# Altium PCB BLDC_DRIVER_1.1_one_side.PcbDoc (part 2 of 3)
Units mil, origin at the board's own origin, x right, y up, seen from the top; angles counter-clockwise.
Board outline 6000 x 4990 mil, 2 copper layers (Top Layer, Bottom Layer), stack 15.5 mil thick; 192 components, 186 nets, 852 pads, 446 vias.
Unrouted connection lines stored in the file: 8.
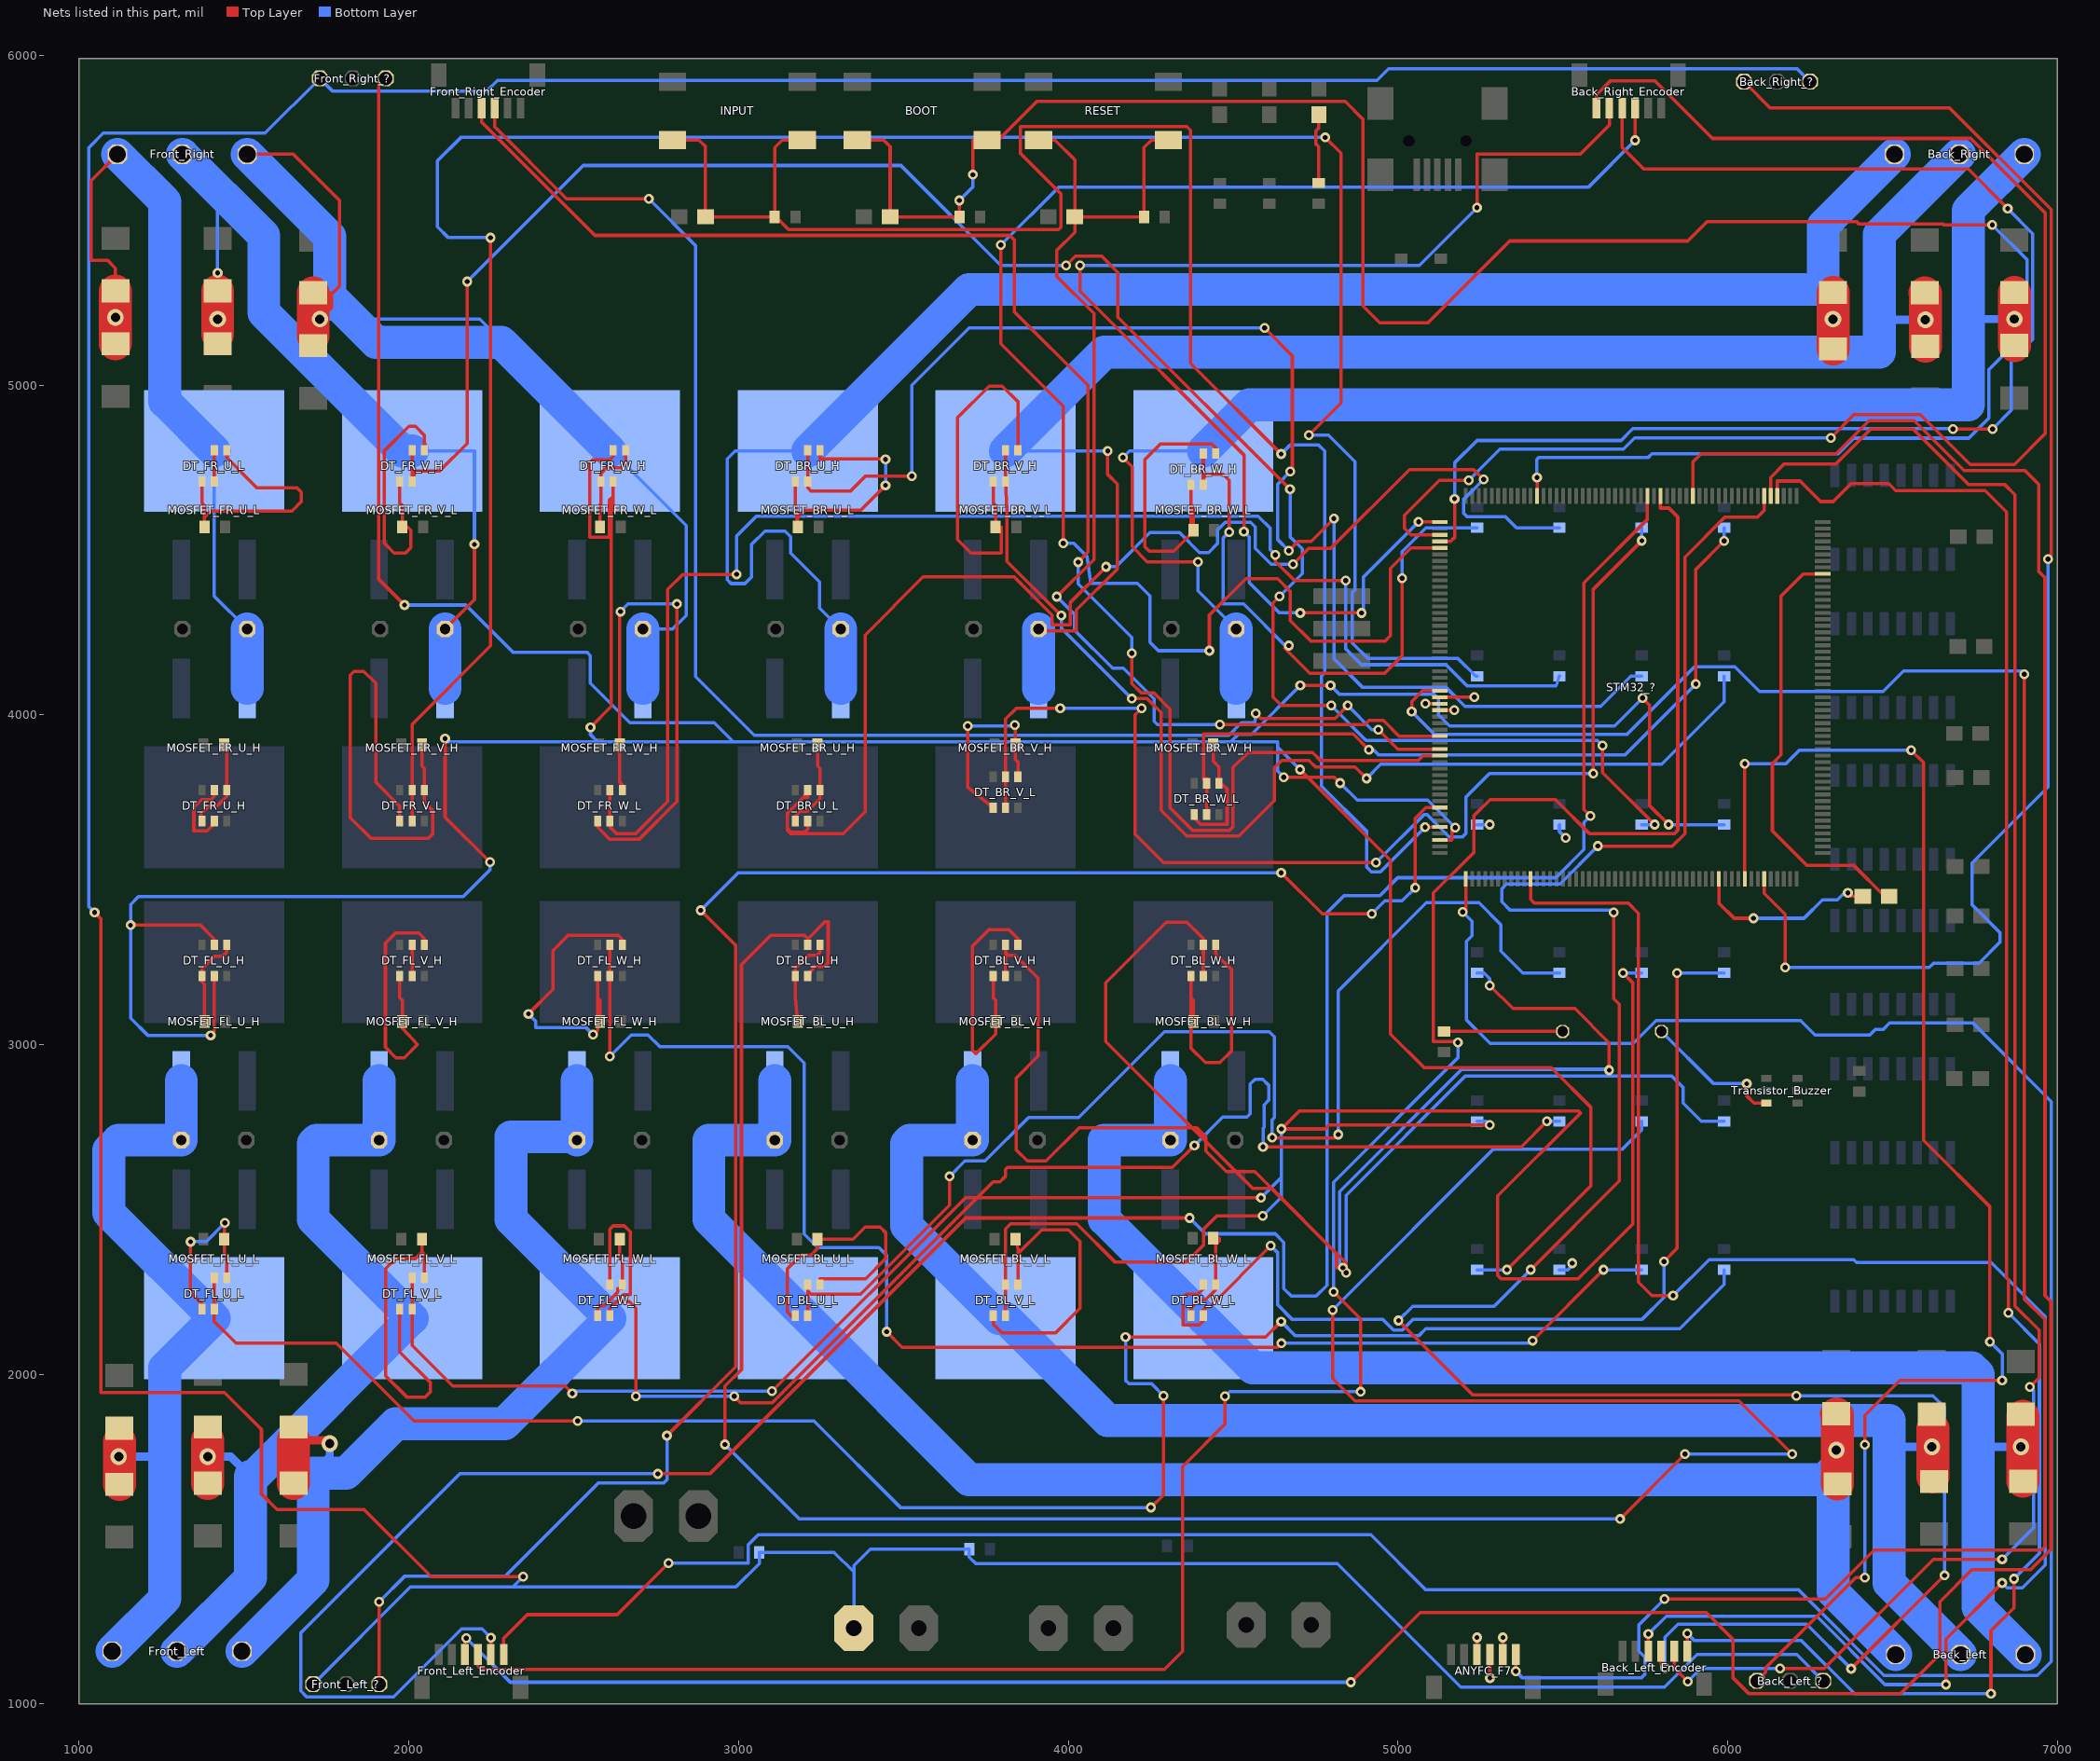
[diagram p2: the nets of this part, all layers, seen from the top]

## Via types
v1: diameter 30, hole 15, Top Layer to Bottom Layer, 425 vias
v2: diameter 50, hole 28, Top Layer to Bottom Layer, 14 vias
v3: diameter 160, hole 160, Top Layer to Bottom Layer, 4 vias
v4: diameter 59.06, hole 47.24, Top Layer to Bottom Layer, 2 vias
v5: diameter 100, hole 28, Top Layer to Bottom Layer, 1 vias

## Nets (pads, with @x,y where several pads share a name; then routed paths per layer and width w, separated by ;. In a path a pad name is that pad's centre, name@x,y a point inside that pad or via, vN(x,y) a via of type N, cw(c..) or ccw(c..) an arc to the next point about the centre after c; other vN are vias at no path point) (continued)
GND_SERVO: Back_Left_?.1 Back_Right_?.1 Front_Left_?.1 Front_Right_?.1 R_GND_MOT_SERV.2 R_GND_SERV_5V.1 Servo_Supply.1 | length 16091.1
  Top Layer w10: v1(1047,3400.6) 1066,3381.6 1066,1945 1441,1945 1553,1833 1553,1637 1600,1590 1864,1590 2068,1386 v1(2347,1386)
  Bottom Layer w10: v1(1047,3400.6) 1029.78,3417.82 1029.78,5720 1073.56,5763.78 1563.78,5763.78 Front_Right_?.1@1730,5930 1768,5892 2237,5892 2269,5924 4937,5924 4972,5959 6211,5959 Back_Right_?.1@6250,5920 ; Front_Left_?.1@1710,1060 2005,1355 2316,1355 ; v1(2347,1386) 2316,1355 ; Servo_Supply.1@3350,1230 3350,1400 ; Back_Left_?.1@6290,1070 6210,1150 5908,1150 5808.9,1050.9 5191,1050.9 4815.9,1426 3720,1426 3700,1446 R_GND_SERV_5V.1@3700,1470 3400,1470 3350,1420 3350,1400 ; 2316,1355 2992,1355 3063,1426 R_GND_MOT_SERV.2@3063,1460 3290,1460 3350,1400
NetANYFC_F7_3: ANYFC_F7.3 STM32_?.30 | length 95.1
  Top Layer w10: STM32_?.30@5127.17,4014.02 v1(5170.79,4014.02) ; ANYFC_F7.3@5239.92,1150.39 v1(5239.92,1201.89)
NetANYFC_F7_4: ANYFC_F7.4 STM32_?.29 | length 115.1
  Top Layer w10: v1(5083.54,4033.7) STM32_?.29@5127.17,4033.7 ; v1(5279.29,1078.9) ANYFC_F7.4@5279.29,1150.39
NetANYFC_F7_5: ANYFC_F7.5 STM32_?.28 | length 156.7
  Top Layer w10: STM32_?.28@5127.17,4053.39 v1(5232.37,4053.39) ; ANYFC_F7.5@5318.66,1150.39 v1(5318.66,1201.89)
NetANYFC_F7_6: ANYFC_F7.6 STM32_?.27 | length 6775.4
  Top Layer w10: v1(5042,4010) 5042,4040 5075.07,4073.07 STM32_?.27@5127.17,4073.07 ; v1(5358.03,1098.97) ANYFC_F7.6@5358.03,1150.39 ; v1(5809,1318) 6296,1318 6445,1467 6952,1467 6963.33,1478.33 6963.33,2164.67 6900,2228 v1(6900,4123)
  Bottom Layer w10: v1(5042,4010) 5111,3941 5695,3941 5900,4146 6022,4146 6097.39,4070.61 6472.03,4070.61 6534.41,4133 6890,4133 v1(6900,4123) ; v1(5358.03,1098.97) 5377,1080 5739,1080 5749,1090 5749,1142 5731,1160 5731,1240 v1(5809,1318)
NetB_1: B.1 R180_LED_B.2 | length 213.6
  Top Layer w10: R180_LED_B.2@4760,5613 4760,5723 4752,5731 4752,5771 4760,5779 B.1@4760,5820
NetBack_Left_1: Back_Left.1 C_BL_U.1 MOSFET_BL_U_H.S MOSFET_BL_U_L.D Schottky_diode_BL_U_H.1 Schottky_diode_BL_U_L.2 | length 5299
  Top Layer w100: Schottky_diode_BL_U_L.2@6330,1880 6333.62,1876.38 Schottky_diode_BL_U_H.1@6333.62,1667.52
  Bottom Layer w25: 6260,1680 6260,1700 v2(6330,1770)
  Bottom Layer w100: MOSFET_BL_U_H.S@3110,2890 C_BL_U.1@3110,2710 2910,2710 2910,2469.76 MOSFET_BL_U_L.D@3210,2169.76 3699.76,1680 6260,1680 6320,1680 6320,1340 Back_Left.1@6510,1150
NetBack_Left_2: Back_Left.2 C_BL_V.1 MOSFET_BL_V_H.S MOSFET_BL_V_L.D Schottky_diode_BL_V_H.1 Schottky_diode_BL_V_L.2 | length 5015.3
  Top Layer w10: Schottky_diode_BL_V_L.2@6619.81,1878.86 6612,1878.86 6612,1835.19 6622.91,1835.19 ; Schottky_diode_BL_V_H.1@6622.91,1688.42 6627.09,1688.42 Schottky_diode_BL_V_H.1@6627.09,1674.81
  Top Layer w100: Schottky_diode_BL_V_H.1@6622.91,1688.42 6622.91,1835.19
  Bottom Layer w25: 6490,1780 v2(6620,1780)
  Bottom Layer w100: MOSFET_BL_V_H.S@3710,2890 C_BL_V.1@3710,2710 3520,2710 3510,2700 3510,2450 3790.24,2169.76 MOSFET_BL_V_L.D@3810,2169.76 4119.76,1860 6490,1860 6490,1780 6490,1366.85 Back_Left.2@6706.85,1150
NetBack_Left_3: Back_Left.3 C_BL_W.1 MOSFET_BL_W_H.S MOSFET_BL_W_L.D Schottky_diode_BL_W_H.1 Schottky_diode_BL_W_L.2 | length 4713.9
  Top Layer w10: Schottky_diode_BL_W_L.2@6889.81,1878.86 6896.11,1878.86 Schottky_diode_BL_W_L.2@6896.11,1872.56
  Top Layer w100: Schottky_diode_BL_W_H.1@6896.11,1675.59 Schottky_diode_BL_W_L.2@6896.11,1872.56
  Bottom Layer w25: 6760,1780 v2(6890,1780)
  Bottom Layer w100: MOSFET_BL_W_H.S@4310,2890 C_BL_W.1@4310,2710 4110,2710 4110,2469.76 MOSFET_BL_W_L.D@4410,2169.76 4559.76,2020 6740,2020 6760,2000 6760,1780 6760,1293.7 Back_Left.3@6903.7,1150
NetBack_Left_?_3: Back_Left_?.3 STM32_?.96 | length 4314.5
  Top Layer w10: STM32_?.96@6052.36,3502.2 v1(6052.36,3852) ; Back_Left_?.3@6090,1070 6116,1096 6116,1110 6389,1383 v1(6417,1383) ; v1(6417,1786) 6417,1875 6523,1981 v1(6833,1981) ; v1(6557,3893) 6595,3855 6595,2709 6796,2508 v1(6796,2099)
  Bottom Layer w10: v1(6052.36,3852) 6177,3852 6218,3893 v1(6557,3893) ; v1(6417,1383) v1(6417,1786) ; v1(6796,2099) 6833,2062 v1(6833,1981)
NetBack_Left_Encoder_3: Back_Left_Encoder.3 STM32_?.63 | length 5252.9
  Top Layer w10: STM32_?.63@5402.76,3502.2 5402.76,3440 5413.76,3429 5699,3429 5730,3398 5730,2280 5771,2239 v1(5835,2239) ; Back_Left_Encoder.3@5759.92,1160.39 5759.92,1211.92 v1(5760,1212) ; v1(6663,1059) 6663,1197 v1(6833,1367)
  Bottom Layer w10: v1(5760,1212) 5814,1266 6270.54,1266 6477.54,1059 v1(6663,1059) ; v1(5835,2239) 5944,2348 6382.83,2348 6391.83,2339 6799.83,2339 6964,2174.83 6964,1422 6894,1352 6848,1352 v1(6833,1367)
NetBack_Left_Encoder_4: Back_Left_Encoder.4 STM32_?.162 | length 7325.4
  Top Layer w10: v1(5002,2163) 5227,1938 6206,1938 v1(6209,1935) ; v1(5403,2317) 5672,2586 5672,3122 5655,3139 v1(5655,3401) ; v1(5607,3602) 5833,3602 5871,3640 5871,4478 5993,4600 6091.42,4600 6111.42,4620 STM32_?.162@6111.42,4663.62 ; Back_Left_Encoder.4@5799.29,1160.39 5799.29,1120.71 v1(5810,1110) ; v1(6375,1107) v1(6658,1390)
  Bottom Layer w10: v1(5002,2163) 5045,2206 5292,2206 v1(5403,2317) ; v1(5607,3602) 5492,3487 5330,3487 5315,3472 5315,3433 5340,3408 5648,3408 v1(5655,3401) ; v1(5810,1110) 5810,1202 5850,1242 6240,1242 v1(6375,1107) ; v1(6209,1935) 6623,1935 6658,1900 v1(6658,1390)
NetBack_Left_Encoder_5: Back_Left_Encoder.5 STM32_?.161 | length 5471.9
  Top Layer w10: Back_Left_Encoder.5@5838.66,1160.39 5838.66,1108.34 v1(5879,1068) ; STM32_?.161@6131.1,4663.62 6131.1,4720 6171.1,4760 6328,4760 6435.18,4867.18 6561.81,4867.18 6729.99,4699 6840,4699 6872,4667 6872,2207 6945.33,2133.67 6945.33,1990 v1(6917,1961.67) ; v1(6159,1108) 6293,1108 6624,1439 v1(6833,1439)
  Bottom Layer w10: v1(5879,1068) 5919,1108 v1(6159,1108) ; v1(6833,1439) 6928,1534 6928,1950.67 v1(6917,1961.67)
NetBack_Left_Encoder_6: Back_Left_Encoder.6 STM32_?.160 | length 5561.4
  Top Layer w10: Back_Left_Encoder.6@5878.03,1160.39 v1(5878,1214) ; STM32_?.160@6150.79,4663.62 6150.79,4709 6220,4709 6282.19,4646.81 6320.81,4646.81 6375,4701 6489,4701 6510,4680 6781.42,4680 6846,4615.42 6846,2293.8 6852,2287.8 v1(6852,2186) ; v1(6799,1031) 6799,1221.96 6869,1291.96 v1(6869,1380)
  Bottom Layer w10: v1(5878,1214) 5900,1192 6224.44,1192 6385.44,1031 v1(6799,1031) ; v1(6852,2186) 6946,2092 6946,1457 v1(6869,1380)
NetBack_Right_1: Back_Right.1 C_BR_W.1 MOSFET_BR_W_H.S MOSFET_BR_W_L.D Schottky_diode_BR_W_H.1 Schottky_diode_BR_W_L.2 | length 4694.1
  Top Layer w10: v1(4166,4780) 4194,4752 4194,4510 4240,4464 v1(4394,4464)
  Top Layer w100: Schottky_diode_BR_W_L.2@6870,5120 v2(6870,5200.28) Schottky_diode_BR_W_H.1@6870,5280.55
  Bottom Layer w10: v1(4166,4780) 4186.24,4800.24 MOSFET_BR_W_L.D@4410,4800.24 ; v1(4394,4464) 4394,4376 C_BR_W.1@4510,4260
  Bottom Layer w25: 6730,5200 6730.28,5200.28 v2(6870,5200.28)
  Bottom Layer w100: MOSFET_BR_W_L.D@4410,4800.24 4549.76,4940 6730,4940 6730,5200 6730,5530 Back_Right.1@6900,5700 ; MOSFET_BR_W_H.S@4510,4080 C_BR_W.1@4510,4260
NetBack_Right_2: Back_Right.2 C_BR_V.1 MOSFET_BR_V_H.S MOSFET_BR_V_L.D Schottky_diode_BR_V_H.1 Schottky_diode_BR_V_L.2 | length 5596.6
  Top Layer w10: C_BR_V.1@3910,4260 3922,4260 3922,4255 4025,4255 4025,4317.78 4149.18,4441.96 4149.18,4699.68 4120,4728.86 v1(4120,4800.24)
  Top Layer w100: Schottky_diode_BR_V_H.1@6598.19,5280.04 6600,5278.23 v2(6600,5197.95) Schottky_diode_BR_V_L.2@6600,5117.68
  Bottom Layer w10: MOSFET_BR_V_L.D@3810,4800.24 v1(4120,4800.24) ; 6462.05,5197.95 6462.05,5458.9 Back_Right.2@6703.15,5700
  Bottom Layer w25: 6462.05,5197.95 v2(6600,5197.95)
  Bottom Layer w100: MOSFET_BR_V_L.D@3810,4800.24 4109.76,5100 6460,5100 6460,5456.85 Back_Right.2@6703.15,5700 ; MOSFET_BR_V_H.S@3910,4080 C_BR_V.1@3910,4260
NetBack_Right_3: Back_Right.3 C_BR_U.1 MOSFET_BR_U_H.S MOSFET_BR_U_L.D Schottky_diode_BR_U_H.1 Schottky_diode_BR_U_L.2 | length 5526.4
  Top Layer w100: Schottky_diode_BR_U_L.2@6320,5110 v2(6320,5200) Schottky_diode_BR_U_H.1@6320,5280.55
  Bottom Layer w10: MOSFET_BR_U_L.D@3210,4800.24 2990,4800.24 2966,4776.24 2966,4410 2978,4398 3020,4398 3040,4418 3040,4517 3080,4557 3141,4557 3158,4540 3158,4491 3246,4403 3246,4324 C_BR_U.1@3310,4260
  Bottom Layer w25: 6290,5290 6290,5230 v2(6320,5200)
  Bottom Layer w100: MOSFET_BR_U_L.D@3210,4800.24 3699.76,5290 6290,5290 6290,5483.7 Back_Right.3@6506.3,5700 ; MOSFET_BR_U_H.S@3310,4080 C_BR_U.1@3310,4260
NetBack_Right_?_3: Back_Right_?.3 STM32_?.99 | length 4425.9
  Top Layer w10: Back_Right_?.3@6050,5920 6130,5840 6674,5840 6982,5532 6982,4482 v1(6972,4472) ; STM32_?.99@6111.42,3502.2 6111.42,3458.58 6175,3395 v1(6175,3234)
  Bottom Layer w10: v1(6175,3234) 6612,3234 6625,3247 6763,3247 6826,3310 6826,3340 6742,3424 6742,3551 6972,3781 v1(6972,4472)
NetBack_Right_Encoder_3: Back_Right_Encoder.3 STM32_?.5 | length 5052.7
  Top Layer w10: v1(3796,5425) 3796,5124.94 3985.11,4935.83 v1(3985.11,4520.45) ; v1(4428.38,4194.38) 4428.38,4302.09 4539.29,4413 4634.96,4413 4673.94,4374.02 4673.94,4285.7 4735.64,4224 4962,4224 4978,4240 4978,4444.14 5040,4506.14 STM32_?.5@5127.17,4506.14 ; v1(5720.08,5742.31) Back_Right_Encoder.3@5720.08,5839.61
  Bottom Layer w10: v1(3796,5425) 3970.75,5599.75 5577.51,5599.75 v1(5720.08,5742.31) ; v1(3985.11,4520.45) 4016.89,4520.45 4057.35,4480 4068.35,4399 4210.06,4399 4248.06,4361 4248.06,4220 4273.68,4194.38 v1(4428.38,4194.38)
NetBack_Right_Encoder_4: Back_Right_Encoder.4 STM32_?.4 | length 4067
  Top Layer w10: STM32_?.4@5127.17,4525.83 5160,4525.83 5172,4537.83 v1(5172,4655) ; Back_Right_Encoder.4@5680.71,5839.61 5680.71,5720 5745.71,5655 6730,5655 v1(6850,5535) ; v1(6684,4867) v1(6804,4867)
  Bottom Layer w10: v1(5172,4655) 5172,4764 5240,4832 5677,4832 5713,4868 6683,4868 v1(6684,4867) ; v1(6804,4867) 6859.95,4922.95 6859.95,5071.95 6926,5138 6926,5459 v1(6850,5535)
NetBack_Right_Encoder_5: Back_Right_Encoder.5 STM32_?.1 | length 3893
  Top Layer w10: v1(4036,5363) 4036,5285 4533,4788 v1(4533,4556) ; v1(4704,4309) v1(4890,4309) ; v1(5062.88,4584.88) STM32_?.1@5127.17,4584.88 ; v1(5240,5538) 5240,5700 5553.34,5700 5641.34,5788 Back_Right_Encoder.5@5641.34,5839.61
  Bottom Layer w10: v1(4036,5363) 5065,5363 v1(5240,5538) ; v1(4533,4556) 4549.58,4539.42 4549.58,4400.92 4641.5,4309 v1(4704,4309) ; v1(4890,4309) 4895,4314 4895,4417 v1(5062.88,4584.88)
NetBack_Right_Encoder_6: Back_Right_Encoder.6 STM32_?.3 | length 4581.7
  Top Layer w10: STM32_?.3@5127.17,4545.51 5040,4545.51 5020,4565.51 5020,4605.51 5125.49,4711 v1(5215,4711) ; Back_Right_Encoder.6@5601.97,5839.61 5601.97,5880 5643.97,5922 5780,5922 5954,5748 6737.97,5748 6964,5521.97 6964,4853 6870,4759 6736,4759 6584.81,4910.19 6383.19,4910.19 v1(6313,4840)
  Bottom Layer w10: v1(5215,4711) 5310,4806 5684,4806 5718,4840 v1(6313,4840)
NetBOOT_1: BOOT.1 BOOT.2 C100n_BOOT.1 R10k_BOOT.1 STM32_?.197 | length 6874
  Top Layer w10: BOOT.2@3360,5742.83 3440,5742.83 3460,5722.83 C100n_BOOT.1@3460,5510 R10k_BOOT.1@3670,5510 v1(3670,5560) ; v1(3711,5638) 3711,5742.83 BOOT.1@3753.7,5742.83 3788,5742.83 3905.17,5860 4840,5860 4894,5806 4894,5240 4945,5189 5091.39,5189 5339.39,5437 5879,5437 5938.31,5496.31 6390.69,5496.31 6399,5488 6654,5488 6656,5486 v1(6803,5486) ; v1(5422,4720) 5422.44,4719.56 STM32_?.197@5422.44,4663.62
  Bottom Layer w10: v1(3670,5560) 3711,5601 v1(3711,5638) ; v1(5422,4720) 5422,4775.03 5427.97,4781 5760,4781 5771,4792 6336,4792 6383,4839 6732,4839 6793,4900 6793,5047 6908,5162 6908,5381 v1(6803,5486)
NetBuzzer_1: Buzzer.1 Transistor_Buzzer.6 | length 430.2
  Top Layer w10: v1(6058.4,2881.21) 6058.4,2844.2 6080,2822.6 Transistor_Buzzer.6@6117.72,2822.6
  Bottom Layer w10: Buzzer.1@5799.21,3040 5958,2881.21 v1(6058.4,2881.21)
NetBuzzer_2: Buzzer.2 R_Buzzer.1 | length 360
  Top Layer w10: R_Buzzer.1@5140,3040 Buzzer.2@5500,3040
NetC2u2-ESRmax2_1: C2u2-ESRmax2.1 STM32_?.148 | length 1313.3
  Top Layer w10: STM32_?.148@6288.58,4427.4 6229.4,4427.4 6162,4360 6162,3878 6136,3852 6136,3648 6240,3544 6382,3544 6476,3450 C2u2-ESRmax2.1@6490,3450
NetC2u2-ESRmax2_2: C2u2-ESRmax2.2 STM32_?.92 | length 564.4
  Top Layer w10: STM32_?.92@5973.62,3502.2 5973.62,3429.41 6020,3383.04 v1(6078.99,3383.04) ; v1(6365,3460) 6375,3450 C2u2-ESRmax2.2@6410,3450
  Bottom Layer w10: v1(6078.99,3383.04) 6232.04,3383.04 6288,3439 6333,3439 6354,3460 v1(6365,3460)
NetC100n_IN_1: C100n_IN.1 INPUT.1 INPUT.2 R10k_IN.1 STM32_?.48 | length 5449.5
  Top Layer w10: INPUT.2@2800,5742.83 2880,5742.83 2900,5722.83 C100n_IN.1@2900,5510 R10k_IN.1@3110,5510 ; INPUT.1@3193.7,5742.83 3132.83,5742.83 3110,5720 R10k_IN.1@3110,5510 ; v1(4646,4791) 4371,5066 4371,5773 4360,5784 3855.66,5784 3855.66,5702 3978,5579.66 3978,5479 3971,5472 3152,5472 3114,5510 R10k_IN.1@3110,5510 ; v1(5082.69,3659.69) STM32_?.48@5127.17,3659.69
  Bottom Layer w10: v1(4646,4791) 4673,4818 4760,4818 4778,4800 4778,4127 4768,4117 4768,3784 4906,3646 4906,3538 4920,3524 4947,3524 v1(5082.69,3659.69)
NetC100n_RST_1: C100n_RST.1 R10k_RST.1 RESET.1 RESET.2 STM32_?.34 | length 3493.3
  Top Layer w10: RESET.2@3910,5742.83 3960,5742.83 4020,5682.83 C100n_RST.1@4020,5510 ; v1(3965.5,4358.5) 4078,4471 4078,5217 3966,5329 3966,5409 4020,5463 C100n_RST.1@4020,5510 ; RESET.1@4303.7,5742.83 4252.83,5742.83 4230,5720 R10k_RST.1@4230,5510 C100n_RST.1@4020,5510 ; v1(4460,3970) 4900,3970 4913,3983 4956,3983 5003.72,3935.28 STM32_?.34@5127.17,3935.28
  Bottom Layer w10: v1(3965.5,4358.5) 4019.5,4304.5 4019.5,4256.62 4135.12,4141 4168,4141 4261,4048 4261,3980 4271,3970 v1(4460,3970)
NetC_FL_U_1: C_FL_U.1 Front_Left.1 MOSFET_FL_U_H.S MOSFET_FL_U_L.D Schottky_diode_FL_U_H.1 Schottky_diode_FL_U_L.2 | length 2524.1
  Top Layer w10: 1122.13,1796.57 1126,1796.57 1126,1836.57 Schottky_diode_FL_U_L.2@1122.13,1836.57
  Top Layer w100: Schottky_diode_FL_U_H.1@1122.13,1666.02 1122.13,1796.57
  Bottom Layer w25: v2(1120,1750) 1230,1750 1260,1720
  Bottom Layer w100: Front_Left.1@1100,1160 1260,1320 1260,1720 1260,2019.76 MOSFET_FL_U_L.D@1410,2169.76 1090,2489.76 1090,2680 1120,2710 C_FL_U.1@1310,2710 MOSFET_FL_U_H.S@1310,2890
NetC_FL_V_1: C_FL_V.1 Front_Left.2 MOSFET_FL_V_H.S MOSFET_FL_V_L.D Schottky_diode_FL_V_H.1 Schottky_diode_FL_V_L.2 | length 2683.2
  Top Layer w10: 1390,1800 1394,1800 1394,1840 Schottky_diode_FL_V_L.2@1390,1840
  Top Layer w100: Schottky_diode_FL_V_H.1@1390,1669.45 v2(1390,1750) 1390,1800
  Bottom Layer w25: v2(1390,1750) 1460,1750 1520,1690
  Bottom Layer w100: Front_Left.2@1296.85,1160 1520,1383.15 1520,1690 1530.24,1690 MOSFET_FL_V_L.D@2010,2169.76 1710,2469.76 1710,2700 1720,2710 C_FL_V.1@1910,2710 MOSFET_FL_V_H.S@1910,2890
NetC_FL_W_1: C_FL_W.1 Front_Left.3 MOSFET_FL_W_H.S MOSFET_FL_W_L.D Schottky_diode_FL_W_H.1 Schottky_diode_FL_W_L.2 | length 3308.8
  Top Layer w10: Schottky_diode_FL_W_H.1@1650,1669.45 1650,1800 Schottky_diode_FL_W_L.2@1650,1840
  Top Layer w25: 1650,1800 1750,1800 v2(1760,1790)
  Top Layer w100: Schottky_diode_FL_W_H.1@1650,1669.45 1650,1800
  Bottom Layer w25: 1710,1700 1760,1750 v2(1760,1790)
  Bottom Layer w100: Front_Left.3@1493.7,1160 1710,1376.3 1710,1700 1810,1700 1959.76,1849.76 2290,1849.76 MOSFET_FL_W_L.D@2610,2169.76 2310,2469.76 2310,2720 2500,2720 C_FL_W.1@2510,2710 MOSFET_FL_W_H.S@2510,2890
NetC_FR_U_1: C_FR_U.1 Front_Right.3 MOSFET_FR_U_H.S MOSFET_FR_U_L.D Schottky_diode_FR_U_H.1 Schottky_diode_FR_U_L.2 | length 2450.5
  Top Layer w10: Schottky_diode_FR_U_H.1@1110,5285.55 1110,5354.74 1085.78,5378.96 1036.48,5378.96 1036.48,5620.18 Front_Right.3@1116.3,5700
  Top Layer w100: Schottky_diode_FR_U_L.2@1110,5125 v2(1110,5205.28) Schottky_diode_FR_U_H.1@1110,5285.55
  Bottom Layer w10: MOSFET_FR_U_L.D@1410,4800.24 1410,4360 C_FR_U.1@1510,4260
  Bottom Layer w100: Front_Right.3@1116.3,5700 1260,5556.3 1260,4950.24 MOSFET_FR_U_L.D@1410,4800.24 ; MOSFET_FR_U_H.S@1510,4080 C_FR_U.1@1510,4260
NetC_FR_V_1: C_FR_V.1 Front_Right.2 MOSFET_FR_V_H.S MOSFET_FR_V_L.D Schottky_diode_FR_V_H.1 Schottky_diode_FR_V_L.2 | length 2779.5